# Altium PCB WX0.000.863拼板.PcbDoc (part 4 of 15)
Units mm, origin at the board's own origin, x right, y up, seen from the top; angles counter-clockwise.
Board outline 150.37 x 286.89 mm, 2 copper layers (Top Layer, Bottom Layer); 840 components, 0 nets, 2516 pads, 1604 vias.
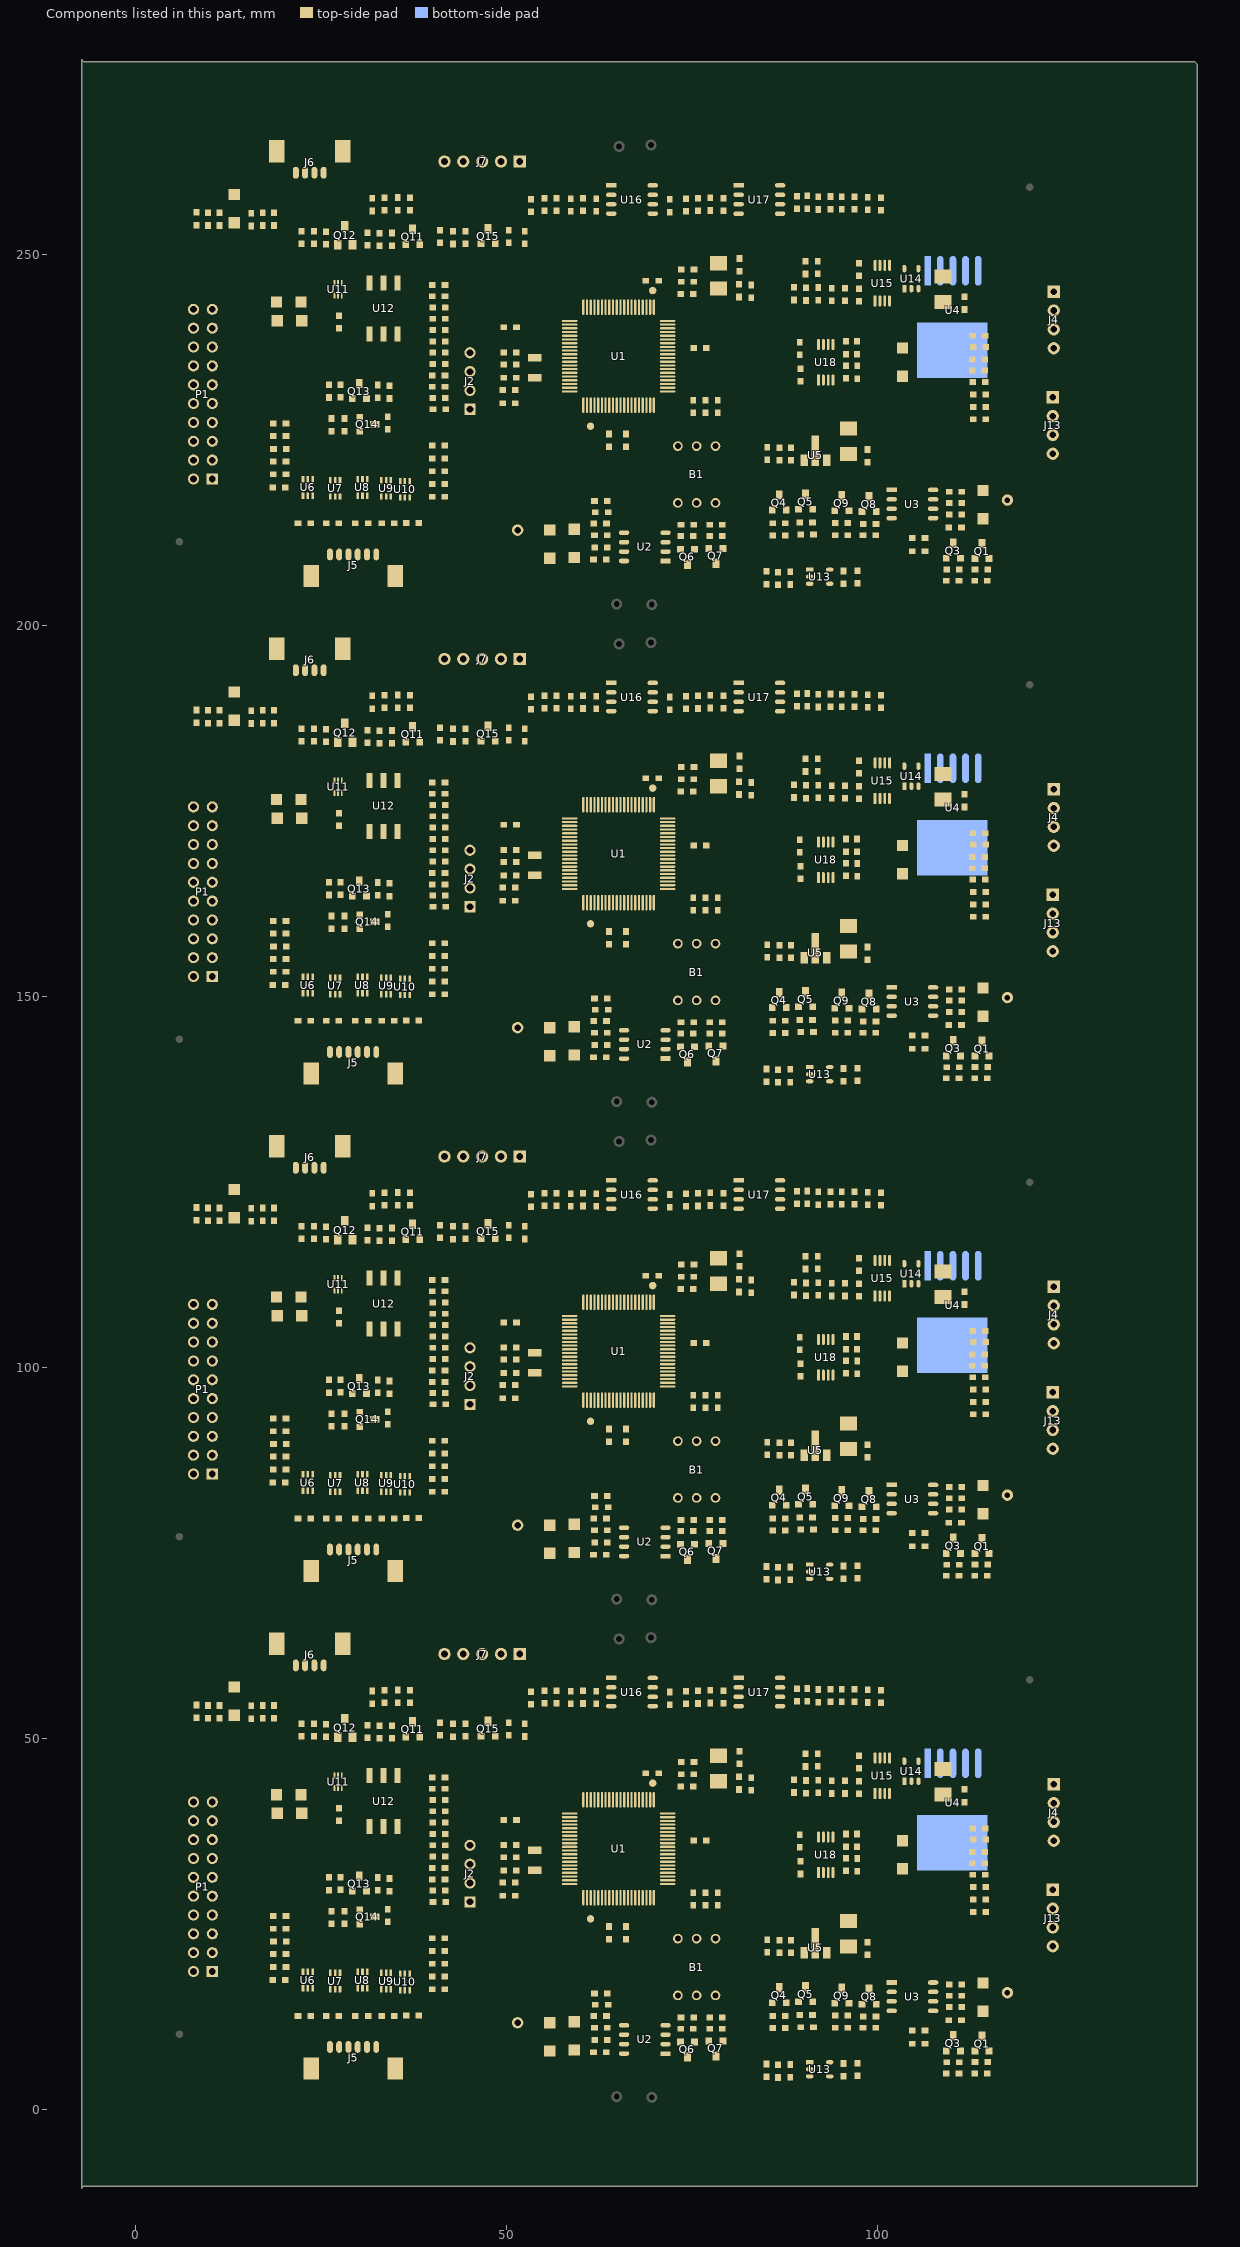
[diagram p4: the components of this part, seen from the top]

## Via types
v1: diameter 0.635, hole 0.381, Top Layer to Bottom Layer, tented both sides, 1604 vias

## Nets (pads, with @x,y where several pads share a name; then routed paths per layer and width w, separated by ;. In a path a pad name is that pad's centre, name@x,y a point inside that pad or via, vN(x,y) a via of type N, cw(c..) or ccw(c..) an arc to the next point about the centre after c; other vN are vias at no path point) (continued)
copper on no net: (continued)
  Top Layer w0.203: 27.462,8.382 27.462,9.394 26.726,10.13 24.795,10.13 24.478,10.447 24.478,11.608 ; 27.462,75.438 27.462,76.45 26.726,77.186 24.795,77.186 24.478,77.503 24.478,78.664 ; 27.462,142.494 27.462,143.506 26.726,144.242 24.795,144.242 24.478,144.559 24.478,145.72 ; 27.462,209.55 27.462,210.562 26.726,211.298 24.795,211.298 24.478,211.615 24.478,212.776 ; 27.644,43.882 cw(c27.294,43.532) 27.789,43.532 ; 27.644,110.938 cw(c27.294,110.588) 27.789,110.588 ; 27.644,177.994 cw(c27.294,177.644) 27.789,177.644 ; 27.644,245.05 cw(c27.294,244.7) 27.789,244.7 ; 27.865,36.576 ccw(c27.865,37.387) v1@28.439,36.814 ; 27.865,103.632 ccw(c27.865,104.443) v1@28.439,103.87 ; 27.865,170.688 ccw(c27.865,171.499) v1@28.439,170.926 ; 27.865,237.744 ccw(c27.865,238.555) v1@28.439,237.982 ; 28.006,43.348 cw(c28.622,42.733) v1@28.701,43.599 ; 28.006,110.404 cw(c28.622,109.789) v1@28.701,110.655 ; 28.006,177.46 cw(c28.622,176.845) v1@28.701,177.711 ; 28.006,244.516 cw(c28.622,243.901) v1@28.701,244.767 ; 28.08,43.421 cw(c28.335,43.166) v1@28.565,43.445 ; 28.08,110.477 cw(c28.335,110.222) v1@28.565,110.501 ; 28.08,177.533 cw(c28.335,177.278) v1@28.565,177.557 ; 28.08,244.589 cw(c28.335,244.334) v1@28.565,244.613 ; 28.238,43.58 cw(c28.478,43.34) v1@28.694,43.602 ; 28.238,110.636 cw(c28.478,110.396) v1@28.694,110.658 ; 28.238,177.692 cw(c28.478,177.452) v1@28.694,177.714 ; 28.238,244.748 cw(c28.478,244.508) v1@28.694,244.77 ; 28.313,43.654 cw(c28.673,43.294) v1@28.719,43.802 ; 28.313,110.71 cw(c28.673,110.35) v1@28.719,110.858 ; 28.313,177.766 cw(c28.673,177.406) v1@28.719,177.914 ; 28.313,244.822 cw(c28.673,244.462) v1@28.719,244.97 ; 28.35,51.025 ccw(c29.261,51.935) 29.261,50.648 ; 28.35,118.081 ccw(c29.261,118.991) 29.261,117.704 ; 28.35,185.137 ccw(c29.261,186.047) 29.261,184.76 ; 28.35,252.193 ccw(c29.261,253.103) 29.261,251.816 ; 28.501,8.993 ccw(c27.991,9.502) 28.712,9.502 ccw(c29.432,9.502) 28.923,8.993 ; 28.501,76.049 ccw(c27.991,76.558) 28.712,76.558 ccw(c29.432,76.558) 28.923,76.049 ; 28.501,143.105 ccw(c27.991,143.614) 28.712,143.614 ccw(c29.432,143.614) 28.923,143.105 ; 28.501,210.161 ccw(c27.991,210.67) 28.712,210.67 ccw(c29.432,210.67) 28.923,210.161 ; v1@28.512,43.508 ccw(c28.296,43.39) 28.296,43.637 ; v1@28.512,110.564 ccw(c28.296,110.446) 28.296,110.693 ; v1@28.512,177.62 ccw(c28.296,177.502) 28.296,177.749 ; v1@28.512,244.676 ccw(c28.296,244.558) 28.296,244.805 ; v1@28.536,43.75 cw(c28.296,43.95) 28.296,43.637 ; v1@28.536,110.806 cw(c28.296,111.006) 28.296,110.693 ; v1@28.536,177.862 cw(c28.296,178.062) 28.296,177.749 ; v1@28.536,244.918 cw(c28.296,245.118) 28.296,244.805 ; 28.657,50.718 cw(c28.18,50.241) 28.854,50.241 ; 28.657,117.774 cw(c28.18,117.297) 28.854,117.297 ; 28.657,184.83 cw(c28.18,184.353) 28.854,184.353 ; 28.657,251.886 cw(c28.18,251.409) 28.854,251.409 ; 28.679,33.111 ccw(c28.679,34.37) v1@29.568,33.48 ; 28.679,100.167 ccw(c28.679,101.426) v1@29.568,100.536 ; 28.679,167.223 ccw(c28.679,168.482) v1@29.568,167.592 ; 28.679,234.279 ccw(c28.679,235.538) v1@29.568,234.648 ; 28.697,50.678 ccw(c29.261,51.242) 29.261,50.444 ; 28.697,117.734 ccw(c29.261,118.298) 29.261,117.5 ; 28.697,184.79 ccw(c29.261,185.354) 29.261,184.556 ; 28.697,251.846 ccw(c29.261,252.41) 29.261,251.612 ; 28.712,8.382 28.712,9.84 28.804,9.931 28.804,11.303 ; 28.712,75.438 28.712,76.896 28.804,76.987 28.804,78.359 ; 28.712,142.494 28.712,143.952 28.804,144.043 28.804,145.415 ; 28.712,209.55 28.712,211.008 28.804,211.099 28.804,212.471 ; 28.804,10.541 28.804,11.303 ; 28.804,77.597 28.804,78.359 ; 28.804,144.653 28.804,145.415 ; 28.804,211.709 28.804,212.471 ; v1@28.855,43.459 cw(c29.285,43.029) 29.285,43.637 ; v1@28.855,43.764 ccw(c29.162,44.072) 29.162,43.637 ; v1@28.855,110.515 cw(c29.285,110.085) 29.285,110.693 ; v1@28.855,110.82 ccw(c29.162,111.128) 29.162,110.693 ; v1@28.855,177.571 cw(c29.285,177.141) 29.285,177.749 ; v1@28.855,177.876 ccw(c29.162,178.184) 29.162,177.749 ; v1@28.855,244.627 cw(c29.285,244.197) 29.285,244.805 ; v1@28.855,244.932 ccw(c29.162,245.24) 29.162,244.805 ; 29.169,33.111 ccw(c29.169,33.879) v1@29.712,33.336 ; 29.169,100.167 ccw(c29.169,100.935) v1@29.712,100.392 ; 29.169,167.223 ccw(c29.169,167.991) v1@29.712,167.448 ; 29.169,234.279 ccw(c29.169,235.047) v1@29.712,234.504 ; 29.685,32.71 cw(c29.685,31.946) v1@30.226,32.486 ; 29.685,99.766 cw(c29.685,99.002) v1@30.226,99.542 ; 29.685,166.822 cw(c29.685,166.058) v1@30.226,166.598 ; 29.685,233.878 cw(c29.685,233.114) v1@30.226,233.654 ; v1(29.721,33.327) 29.743,33.305 29.743,33.274 29.581,33.111 26.703,33.111 26.678,33.137 19.151,33.137 18.095,32.081 18.095,31.046 15.588,28.539 15.588,19.718 17.907,17.399 ; v1(29.721,100.383) 29.743,100.361 29.743,100.33 29.581,100.167 26.703,100.167 26.678,100.193 19.151,100.193 18.095,99.137 18.095,98.102 15.588,95.595 15.588,86.774 17.907,84.455 ; v1(29.721,167.439) 29.743,167.417 29.743,167.386 29.581,167.223 26.703,167.223 26.678,167.249 19.151,167.249 18.095,166.193 18.095,165.158 15.588,162.651 15.588,153.83 17.907,151.511 ; v1(29.721,234.495) 29.743,234.473 29.743,234.442 29.581,234.279 26.703,234.279 26.678,234.305 19.151,234.305 18.095,233.249 18.095,232.214 15.588,229.707 15.588,220.886 17.907,218.567 ; 29.751,8.993 ccw(c29.033,9.711) 30.048,9.711 ; 29.751,76.049 ccw(c29.033,76.767) 30.048,76.767 ; 29.751,143.105 ccw(c29.033,143.823) 30.048,143.823 ; 29.751,210.161 ccw(c29.033,210.879) 30.048,210.879 ; 29.895,8.849 ccw(c29.524,9.22) 30.048,9.22 ; 29.895,75.905 ccw(c29.524,76.276) 30.048,76.276 ; 29.895,142.961 ccw(c29.524,143.332) 30.048,143.332 ; 29.895,210.017 ccw(c29.524,210.388) 30.048,210.388 ; 29.905,15.997 cw(c29.78,15.872) 29.957,15.872 cw(c30.134,15.872) 30.009,15.997 ; 29.905,83.053 cw(c29.78,82.928) 29.957,82.928 cw(c30.134,82.928) 30.009,83.053 ; 29.905,150.109 cw(c29.78,149.984) 29.957,149.984 cw(c30.134,149.984) 30.009,150.109 ; 29.905,217.165 cw(c29.78,217.04) 29.957,217.04 cw(c30.134,217.04) 30.009,217.165 ; 29.957,16.299 29.957,14.671 28.804,13.517 28.804,12.344 28.804,11.303 ; 29.957,83.355 29.957,81.727 28.804,80.573 28.804,79.4 28.804,78.359 ; 29.957,150.411 29.957,148.783 28.804,147.629 28.804,146.456 28.804,145.415 ; 29.957,217.467 29.957,215.839 28.804,214.685 28.804,213.512 28.804,212.471 ; 29.962,8.382 30.048,8.468 30.048,10.084 30.404,10.439 32.029,10.439 32.467,10.877 32.467,13.298 33.132,13.964 33.132,16.172 ; 29.962,75.438 30.048,75.524 30.048,77.14 30.404,77.495 32.029,77.495 32.467,77.933 32.467,80.354 33.132,81.02 33.132,83.228 ; 29.962,142.494 30.048,142.58 30.048,144.196 30.404,144.551 32.029,144.551 32.467,144.989 32.467,147.41 33.132,148.076 33.132,150.284 ; 29.962,209.55 30.048,209.636 30.048,211.252 30.404,211.607 32.029,211.607 32.467,212.045 32.467,214.466 33.132,215.132 33.132,217.34 ; 30.029,32.71 ccw(c30.029,32.989) v1@30.226,32.792 ; 30.029,99.766 ccw(c30.029,100.045) v1@30.226,99.848 ; 30.029,166.822 ccw(c30.029,167.101) v1@30.226,166.904 ; 30.029,233.878 ccw(c30.029,234.157) v1@30.226,233.96 ; 30.048,9.294 ccw(c30.474,9.294) 30.173,8.993 ; 30.048,76.35 ccw(c30.474,76.35) 30.173,76.049 ; 30.048,143.406 ccw(c30.474,143.406) 30.173,143.105 ; 30.048,210.462 ccw(c30.474,210.462) 30.173,210.161 ; 30.175,31.42 33.909,31.42 34.239,31.09 35.276,31.09 35.453,30.912 35.453,25.796 37.907,23.343 ; 30.175,98.476 33.909,98.476 34.239,98.146 35.276,98.146 35.453,97.968 35.453,92.852 37.907,90.399 ; 30.175,165.532 33.909,165.532 34.239,165.202 35.276,165.202 35.453,165.024 35.453,159.908 37.907,157.455 ; 30.175,232.588 33.909,232.588 34.239,232.258 35.276,232.258 35.453,232.08 35.453,226.964 37.907,224.511 ; 30.426,31.168 cw(c31.033,30.561) 31.033,31.42 cw(c31.033,32.278) 30.426,31.671 ; 30.426,98.224 cw(c31.033,97.617) 31.033,98.476 cw(c31.033,99.334) 30.426,98.727 ; 30.426,165.28 cw(c31.033,164.673) 31.033,165.532 cw(c31.033,166.39) 30.426,165.783 ; 30.426,232.336 cw(c31.033,231.729) 31.033,232.588 cw(c31.033,233.446) 30.426,232.839 ; 30.555,18.197 cw(c30.43,18.072) 30.607,18.072 cw(c30.784,18.072) 30.659,18.197 ; 30.555,85.253 cw(c30.43,85.128) 30.607,85.128 cw(c30.784,85.128) 30.659,85.253 ; 30.555,152.309 cw(c30.43,152.184) 30.607,152.184 cw(c30.784,152.184) 30.659,152.309 ; 30.555,219.365 cw(c30.43,219.24) 30.607,219.24 cw(c30.784,219.24) 30.659,219.365 ; 30.607,17.501 30.607,18.499 ; 30.607,84.557 30.607,85.555 ; 30.607,151.613 30.607,152.611 ; 30.607,218.669 30.607,219.667 ; v1(30.988,34.214) 31.184,34.018 31.184,33.377 31.698,32.863 35.575,32.863 36.307,32.131 36.307,26.149 38.057,24.399 59.206,24.399 59.227,24.42 60.153,24.42 60.171,24.402 61.59,24.402 63.375,26.187 63.375,28.503 ; v1(30.988,101.27) 31.184,101.074 31.184,100.433 31.698,99.919 35.575,99.919 36.307,99.187 36.307,93.205 38.057,91.455 59.206,91.455 59.227,91.476 60.153,91.476 60.171,91.458 61.59,91.458 63.375,93.243 63.375,95.559 ; v1(30.988,168.326) 31.184,168.13 31.184,167.489 31.698,166.975 35.575,166.975 36.307,166.243 36.307,160.261 38.057,158.511 59.206,158.511 59.227,158.532 60.153,158.532 60.171,158.514 61.59,158.514 63.375,160.299 63.375,162.615 ; v1(30.988,235.382) 31.184,235.186 31.184,234.545 31.698,234.031 35.575,234.031 36.307,233.299 36.307,227.317 38.057,225.567 59.206,225.567 59.227,225.588 60.153,225.588 60.171,225.57 61.59,225.57 63.375,227.355 63.375,229.671 ; 31.267,51.74 34.531,51.74 34.569,51.701 36.106,50.165 36.424,50.165 ; 31.267,118.796 34.531,118.796 34.569,118.757 36.106,117.221 36.424,117.221 ; 31.267,185.852 34.531,185.852 34.569,185.813 36.106,184.277 36.424,184.277 ; 31.267,252.908 34.531,252.908 34.569,252.869 36.106,251.333 36.424,251.333 ; v1@31.318,48.539 ccw(c30.949,48.171) 30.949,48.692 ccw(c30.949,49.213) v1@31.318,48.844 ; v1@31.318,115.595 ccw(c30.949,115.227) 30.949,115.748 ccw(c30.949,116.269) v1@31.318,115.9 ; v1@31.318,182.651 ccw(c30.949,182.283) 30.949,182.804 ccw(c30.949,183.325) v1@31.318,182.956 ; v1@31.318,249.707 ccw(c30.949,249.339) 30.949,249.86 ccw(c30.949,250.381) v1@31.318,250.012 ; 31.341,44.766 ccw(c30.831,44.257) 30.831,44.977 ccw(c30.831,45.697) 31.341,45.188 ; 31.341,111.822 ccw(c30.831,111.313) 30.831,112.033 ccw(c30.831,112.753) 31.341,112.244 ; 31.341,178.878 ccw(c30.831,178.369) 30.831,179.089 ccw(c30.831,179.809) 31.341,179.3 ; 31.341,245.934 ccw(c30.831,245.425) 30.831,246.145 ccw(c30.831,246.865) 31.341,246.356 ; v1@31.394,48.768 v1(31.471,48.692) 24.841,48.692 24.168,49.365 23.279,49.365 22.403,50.241 23.165,51.003 23.165,51.443 23.665,51.943 ; v1@31.394,115.824 v1(31.471,115.748) 24.841,115.748 24.168,116.421 23.279,116.421 22.403,117.297 23.165,118.059 23.165,118.499 23.665,118.999 ; v1@31.394,182.88 v1(31.471,182.804) 24.841,182.804 24.168,183.477 23.279,183.477 22.403,184.353 23.165,185.115 23.165,185.555 23.665,186.055 ; v1@31.394,249.936 v1(31.471,249.86) 24.841,249.86 24.168,250.533 23.279,250.533 22.403,251.409 23.165,252.171 23.165,252.611 23.665,253.111 ; 31.474,51.533 cw(c31.973,51.035) 31.973,51.74 cw(c31.973,52.445) 31.474,51.946 ; 31.474,118.589 cw(c31.973,118.091) 31.973,118.796 cw(c31.973,119.501) 31.474,119.002 ; 31.474,185.645 cw(c31.973,185.147) 31.973,185.852 cw(c31.973,186.557) 31.474,186.058 ; 31.474,252.701 cw(c31.973,252.203) 31.973,252.908 cw(c31.973,253.613) 31.474,253.114 ; 31.552,45.875 ccw(c31.552,46.668) 32.112,46.107 ; 31.552,112.931 ccw(c31.552,113.724) 32.112,113.163 ; 31.552,179.987 ccw(c31.552,180.78) 32.112,180.219 ; 31.552,247.043 ccw(c31.552,247.836) 32.112,247.275 ; 31.591,31.42 cw(c31.591,30.194) 32.457,31.061 ; 31.591,98.476 cw(c31.591,97.25) 32.457,98.117 ; 31.591,165.532 cw(c31.591,164.306) 32.457,165.173 ; 31.591,232.588 cw(c31.591,231.362) 32.457,232.229 ; v1@31.801,33.617 cw(c31.801,33.096) 32.169,33.464 cw(c32.538,33.833) v1@32.017,33.833 ; v1(31.801,33.833) 32.37,33.264 35.897,33.264 36.733,32.427 ; v1@31.801,100.673 cw(c31.801,100.152) 32.169,100.52 cw(c32.538,100.889) v1@32.017,100.889 ; v1(31.801,100.889) 32.37,100.32 35.897,100.32 36.733,99.483 ; v1@31.801,167.729 cw(c31.801,167.208) 32.169,167.576 cw(c32.538,167.945) v1@32.017,167.945 ; v1(31.801,167.945) 32.37,167.376 35.897,167.376 36.733,166.539 ; v1@31.801,234.785 cw(c31.801,234.264) 32.169,234.632 cw(c32.538,235.001) v1@32.017,235.001 ; v1(31.801,235.001) 32.37,234.432 35.897,234.432 36.733,233.595 ; 31.85,45.577 cw(c32.499,45.577) 32.04,46.036 ; 31.85,112.633 cw(c32.499,112.633) 32.04,113.092 ; 31.85,179.689 cw(c32.499,179.689) 32.04,180.148 ; 31.85,246.745 cw(c32.499,246.745) 32.04,247.204 ; 31.928,54.661 33.579,56.312 33.579,56.477 35.344,56.477 35.357,56.49 ; 31.928,55.004 ccw(c31.928,55.832) 32.513,55.246 ; 31.928,121.717 33.579,123.368 33.579,123.533 35.344,123.533 35.357,123.546 ; 31.928,122.06 ccw(c31.928,122.888) 32.513,122.302 ; 31.928,188.773 33.579,190.424 33.579,190.589 35.344,190.589 35.357,190.602 ; 31.928,189.116 ccw(c31.928,189.944) 32.513,189.358 ; 31.928,255.829 33.579,257.48 33.579,257.645 35.344,257.645 35.357,257.658 ; 31.928,256.172 ccw(c31.928,257) 32.513,256.414 ; 32.081,31.42 cw(c32.081,30.685) 32.601,31.205 ; 32.081,98.476 cw(c32.081,97.741) 32.601,98.261 ; 32.081,165.532 cw(c32.081,164.797) 32.601,165.317 ; 32.081,232.588 cw(c32.081,231.853) 32.601,232.373 ; 32.22,54.712 cw(c32.802,54.712) 32.391,55.124 ; 32.22,121.768 cw(c32.802,121.768) 32.391,122.18 ; 32.22,188.824 cw(c32.802,188.824) 32.391,189.236 ; 32.22,255.88 cw(c32.802,255.88) 32.391,256.292 ; 32.251,8.993 ccw(c31.741,9.502) 32.462,9.502 ccw(c33.182,9.502) 32.673,8.993 ; 32.251,76.049 ccw(c31.741,76.558) 32.462,76.558 ccw(c33.182,76.558) 32.673,76.049 ; 32.251,143.105 ccw(c31.741,143.614) 32.462,143.614 ccw(c33.182,143.614) 32.673,143.105 ; 32.251,210.161 ccw(c31.741,210.67) 32.462,210.67 ccw(c33.182,210.67) 32.673,210.161 ; 32.265,43.79 cw(c33.452,42.603) 33.452,44.282 ; 32.265,110.846 cw(c33.452,109.659) 33.452,111.338 ; 32.265,177.902 cw(c33.452,176.715) 33.452,178.394 ; 32.265,244.958 cw(c33.452,243.771) 33.452,245.45 ; 32.462,8.382 32.462,9.856 33.147,10.541 35.255,10.541 35.657,10.943 35.657,13.111 35.657,16.03 35.672,16.045 ; 32.462,75.438 32.462,76.912 33.147,77.597 35.255,77.597 35.657,77.999 35.657,80.167 35.657,83.086 35.672,83.101 ; 32.462,142.494 32.462,143.968 33.147,144.653 35.255,144.653 35.657,145.055 35.657,147.223 35.657,150.142 35.672,150.157 ; 32.462,209.55 32.462,211.024 33.147,211.709 35.255,211.709 35.657,212.111 35.657,214.279 35.657,217.198 35.672,217.213 ; 32.612,44.137 cw(c33.452,43.297) 33.452,44.485 ; 32.612,111.193 cw(c33.452,110.353) 33.452,111.541 ; 32.612,178.249 cw(c33.452,177.409) 33.452,178.597 ; 32.612,245.305 cw(c33.452,244.465) 33.452,245.653 ; v1(32.664,33.884) 32.614,33.833 32.614,33.782 32.73,33.665 36.063,33.665 36.389,33.34 36.425,33.34 37.16,32.604 37.16,26.503 38.39,25.273 58.873,25.273 59.233,25.633 59.233,29.286 v1(59.106,29.413) ; v1(32.664,100.94) 32.614,100.889 32.614,100.838 32.73,100.721 36.063,100.721 36.389,100.396 36.425,100.396 37.16,99.66 37.16,93.559 38.39,92.329 58.873,92.329 59.233,92.689 59.233,96.342 v1(59.106,96.469) ; v1(32.664,167.996) 32.614,167.945 32.614,167.894 32.73,167.777 36.063,167.777 36.389,167.452 36.425,167.452 37.16,166.716 37.16,160.615 38.39,159.385 58.873,159.385 59.233,159.745 59.233,163.398 v1(59.106,163.525) ; v1(32.664,235.052) 32.614,235.001 32.614,234.95 32.73,234.833 36.063,234.833 36.389,234.508 36.425,234.508 37.16,233.772 37.16,227.671 38.39,226.441 58.873,226.441 59.233,226.801 59.233,230.454 v1(59.106,230.581) ; v1@32.673,33.893 ccw(c33.222,34.442) 33.222,33.665 ; v1@32.673,100.949 ccw(c33.222,101.498) 33.222,100.721 ; v1@32.673,168.005 ccw(c33.222,168.554) 33.222,167.777 ; v1@32.673,235.061 ccw(c33.222,235.61) 33.222,234.833 ; 32.712,51.533 ccw(c32.213,51.035) 32.213,51.74 ccw(c32.213,52.445) 32.712,51.946 ; 32.712,118.589 ccw(c32.213,118.091) 32.213,118.796 ccw(c32.213,119.501) 32.712,119.002 ; 32.712,185.645 ccw(c32.213,185.147) 32.213,185.852 ccw(c32.213,186.557) 32.712,186.058 ; 32.712,252.701 ccw(c32.213,252.203) 32.213,252.908 ccw(c32.213,253.613) 32.712,253.114 ; 32.727,31.205 cw(c33.247,30.685) 33.247,31.42 ; 32.727,98.261 cw(c33.247,97.741) 33.247,98.476 ; 32.727,165.317 cw(c33.247,164.797) 33.247,165.532 ; 32.727,232.373 cw(c33.247,231.853) 33.247,232.588 ; v1@32.817,34.036 ccw(c33.713,34.932) 33.713,33.665 ; v1@32.817,101.092 ccw(c33.713,101.988) 33.713,100.721 ; v1@32.817,168.148 ccw(c33.713,169.044) 33.713,167.777 ; v1@32.817,235.204 ccw(c33.713,236.1) 33.713,234.833 ; 32.859,31.42 cw(c32.859,29.761) 34.033,30.934 ; 32.859,98.476 cw(c32.859,96.817) 34.033,97.99 ; 32.859,165.532 cw(c32.859,163.873) 34.033,165.046 ; 32.859,232.588 cw(c32.859,230.929) 34.033,232.102 ; 32.871,31.061 cw(c33.737,30.194) 33.737,31.42 ; 32.871,98.117 cw(c33.737,97.25) 33.737,98.476 ; 32.871,165.173 cw(c33.737,164.306) 33.737,165.532 ; 32.871,232.229 cw(c33.737,231.362) 33.737,232.588 ; 32.959,44.484 cw(c33.452,43.991) 33.452,44.688 ; 32.959,111.54 cw(c33.452,111.047) 33.452,111.744 ; 32.959,178.596 cw(c33.452,178.103) 33.452,178.8 ; 32.959,245.652 cw(c33.452,245.159) 33.452,245.856 ; 32.999,55.732 ccw(c32.305,56.426) 33.287,56.426 ; 32.999,122.788 ccw(c32.305,123.482) 33.287,123.482 ; 32.999,189.844 ccw(c32.305,190.538) 33.287,190.538 ; 32.999,256.9 ccw(c32.305,257.594) 33.287,257.594 ; 33.004,12.78 ccw(c32.506,13.278) 33.211,13.278 ccw(c33.916,13.278) 33.417,12.78 ; 33.004,79.836 ccw(c32.506,80.334) 33.211,80.334 ccw(c33.916,80.334) 33.417,79.836 ; 33.004,146.892 ccw(c32.506,147.39) 33.211,147.39 ccw(c33.916,147.39) 33.417,146.892 ; 33.004,213.948 ccw(c32.506,214.446) 33.211,214.446 ccw(c33.916,214.446) 33.417,213.948 ; 33.08,15.87 cw(c32.955,15.745) 33.132,15.745 cw(c33.309,15.745) 33.184,15.87 ; 33.08,82.926 cw(c32.955,82.801) 33.132,82.801 cw(c33.309,82.801) 33.184,82.926 ; 33.08,149.982 cw(c32.955,149.857) 33.132,149.857 cw(c33.309,149.857) 33.184,149.982 ; 33.08,217.038 cw(c32.955,216.913) 33.132,216.913 cw(c33.309,216.913) 33.184,217.038 ; 33.125,51.533 cw(c33.624,51.035) 33.624,51.74 cw(c33.624,52.445) 33.125,51.946 ; 33.125,118.589 cw(c33.624,118.091) 33.624,118.796 cw(c33.624,119.501) 33.125,119.002 ; 33.125,185.645 cw(c33.624,185.147) 33.624,185.852 cw(c33.624,186.557) 33.125,186.058 ; 33.125,252.701 cw(c33.624,252.203) 33.624,252.908 cw(c33.624,253.613) 33.125,253.114 ; 33.211,12.573 33.211,13.475 33.858,14.122 33.858,14.402 ; 33.211,79.629 33.211,80.531 33.858,81.178 33.858,81.458 ; 33.211,146.685 33.211,147.587 33.858,148.234 33.858,148.514 ; 33.211,213.741 33.211,214.643 33.858,215.29 33.858,215.57 ; 33.241,44.166 cw(c32.731,43.657) 33.452,43.657 cw(c34.172,43.657) 33.663,44.166 ; 33.241,111.222 cw(c32.731,110.713) 33.452,110.713 cw(c34.172,110.713) 33.663,111.222 ; 33.241,178.278 cw(c32.731,177.769) 33.452,177.769 cw(c34.172,177.769) 33.663,178.278 ; 33.241,245.334 cw(c32.731,244.825) 33.452,244.825 cw(c34.172,244.825) 33.663,245.334 ; 33.276,56.009 cw(c33.579,55.706) 33.579,56.134 ; 33.276,123.065 cw(c33.579,122.762) 33.579,123.19 ; 33.276,190.121 cw(c33.579,189.818) 33.579,190.246 ; 33.276,257.177 cw(c33.579,256.874) 33.579,257.302 ; 33.306,44.831 cw(c33.452,44.685) 33.452,44.891 ; 33.306,111.887 cw(c33.452,111.741) 33.452,111.947 ; 33.306,178.943 cw(c33.452,178.797) 33.452,179.003 ; 33.306,245.999 cw(c33.452,245.853) 33.452,246.059 ; 33.346,56.079 ccw(c32.999,56.426) 33.49,56.426 ; 33.346,123.135 ccw(c32.999,123.482) 33.49,123.482 ; 33.346,190.191 ccw(c32.999,190.538) 33.49,190.538 ; 33.346,257.247 ccw(c32.999,257.594) 33.49,257.594 ; 33.35,31.42 cw(c33.35,30.251) 34.176,31.078 ; 33.35,98.476 cw(c33.35,97.307) 34.176,98.134 ; 33.35,165.532 cw(c33.35,164.363) 34.176,165.19 ; 33.35,232.588 cw(c33.35,231.419) 34.176,232.246 ; 33.73,15.87 cw(c33.422,15.562) 33.858,15.562 ; 33.73,18.07 cw(c33.605,17.945) 33.782,17.945 cw(c33.959,17.945) 33.834,18.07 ; 33.73,82.926 cw(c33.422,82.618) 33.858,82.618 ; 33.73,85.126 cw(c33.605,85.001) 33.782,85.001 cw(c33.959,85.001) 33.834,85.126 ; 33.73,149.982 cw(c33.422,149.674) 33.858,149.674 ; 33.73,152.182 cw(c33.605,152.057) 33.782,152.057 cw(c33.959,152.057) 33.834,152.182 ; 33.73,217.038 cw(c33.422,216.73) 33.858,216.73 